# Altium PCB PCB_Kasli.PCBDOC (part 13 of 16) (continued)
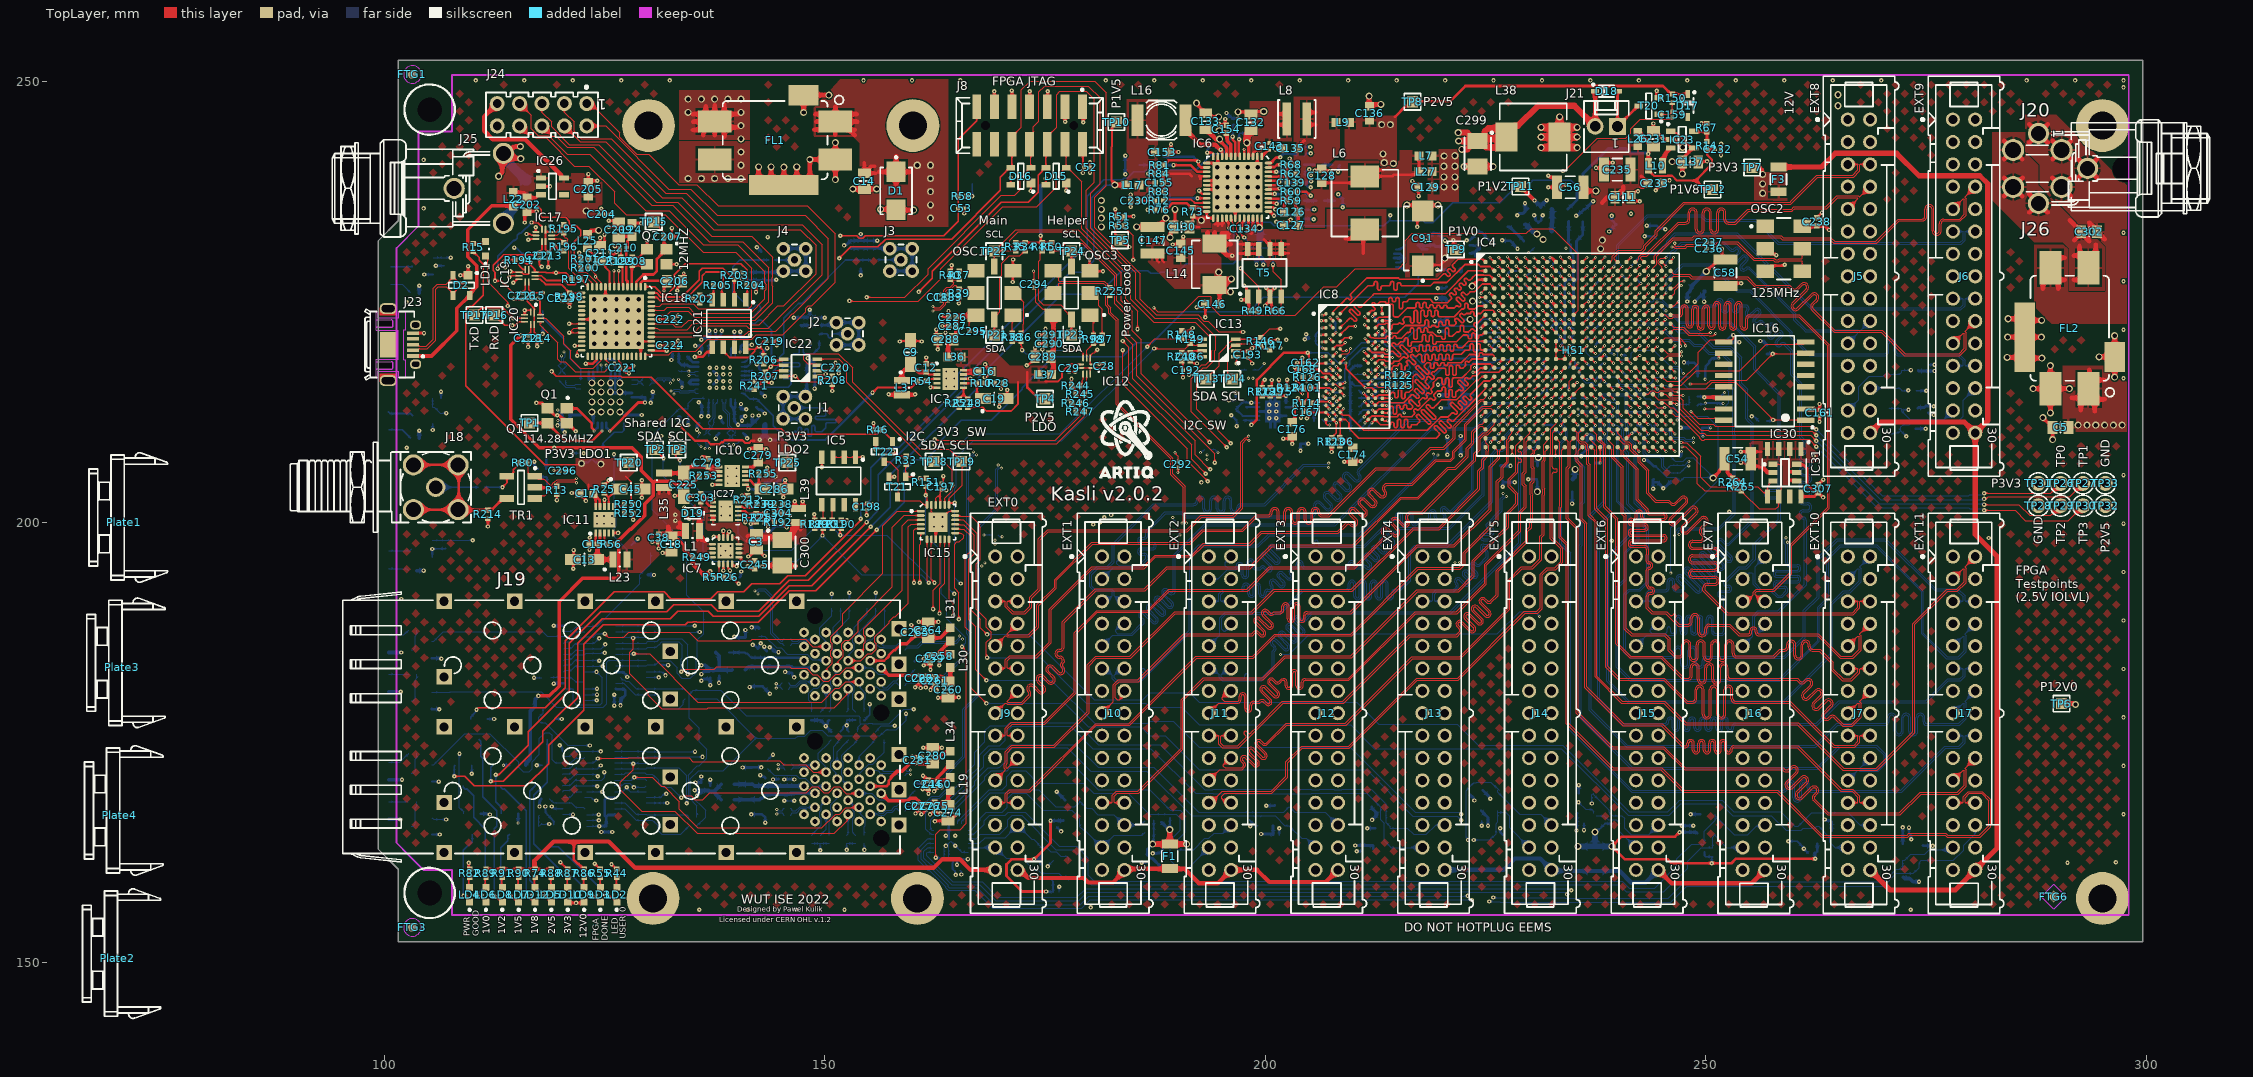
[diagram p0: TopLayer view]
## Nets (pads, with @x,y where several pads share a name; then routed paths per layer and width w, separated by ;. In a path a pad name is that pad's centre, name@x,y a point inside that pad or via, vN(x,y) a via of type N, cw(c..) or ccw(c..) an arc to the next point about the centre after c; other vN are vias at no path point) (continued)
NetC303_2: C303.2 D19.1 IC7.1 IC7.2 IC7.3 IC27.3 L1.1 | length 7.9
  TopLayer w0.3: 135.594,197.869 135.594,198.794 L1.1@135.8,199 ; 135.632,200.168 135.632,199.168 L1.1@135.8,199 ; D19.1@135.825,200.725 136,200.9 136.2,200.9 ; 135.85,200.35 135.85,200.674 135.8,200.724 135.8,200.9 D19.1@135.7,201 135.7,201.05 135.8,201.15 136.3,201.15 ; 135.925,200.225 135.925,199.125 L1.1@135.8,199 ; 136,197.9 136,198.25 136,198.8 135.95,198.85 L1.1@135.8,199
  TopLayer w0.5: L1.1@135.95,198.85 135.95,198.3 136,198.25 136.375,197.875
NetC304_2: C304.2 R238.1 | length 1.4
  TopLayer w0.2: C304.2@144.3,201 144.51,201.21 144.51,201.29 145.01,201.79 145.03,201.79 145.22,201.98 R238.1@145.22,202
NetD2_4: D2.4 J23.1 L22.1 R200.1 | length 39.7
  TopLayer w0.15: L22.1@114.651,235.89 114.76,236 117.297,236 117.825,235.472 117.825,234.675 117.931,234.569 120.581,234.569 121.031,234.119 121.031,233.858 121.239,233.65 121.775,233.65 122.3,233.125 122.3,232.578 121.55,231.828 121.55,229.643 R200.1@122.339,228.854
  TopLayer w0.4: J23.1@103.25,218.85 105.375,218.85 108.25,221.725 108.25,224.251 D2.4@109.722,225.723 109.722,225.923 110.515,226.716 110.515,229.1 109.495,230.12 109.495,233.195 112.19,235.89 L22.1@114.651,235.89
NetD18_2: D18.2 J21.1 T20.3 | length 7.4
  TopLayer w0.3: D18.2@239.97,248.845 J21.1@239.97,244.898 242.025,246.952 242.025,247.075 242.175,247.225 T20.3@242.375,247.225
NetF1_2: F1.2 J9.30 J10.30 J11.30 J12.30 | length 39.8
  TopLayer w0.5: J9.30@171.886,160.528 172.183,160.528 173.101,159.61 179.407,159.61 179.918,159.1 182.719,159.1 J10.30@184.005,160.386 ; J10.30@184.129,160.652 190.842,160.652 192.469,159.025 194.621,159.025 J11.30@196.124,160.528 199.066,160.528 200.444,159.15 206.866,159.15 J12.30@208.244,160.528
NetF2_2: F2.2 J13.30 J14.30 J15.30 J16.30 | length 39.7
  TopLayer w0.5: J15.30@244.602,160.528 246.105,159.025 255.218,159.025 J16.30@256.721,160.528
  BottomLayer w0.5: J13.30@220.363,160.528 227.047,160.528 228.337,161.818 231.193,161.818 J14.30@232.483,160.528 ; J14.30@232.613,160.398 F2.2@237.417,160.398 240.221,160.398 241.544,159.075 243.149,159.075 J15.30@244.602,160.528
NetF3_2: F3.2 J5.30 J6.30 J7.30 J17.30 | length 133.1
  TopLayer w0.6: F3.2@258.245,240.296 263.127,240.296 264.681,241.85 271.65,241.85 274.19,239.31 281.088,239.31 282,238.398 282,211.55 J6.30@280.57,210.12 ; J7.30@268.645,160.52 270.915,158.25 278.3,158.25 J17.30@280.57,160.52 283.075,163.025 283.075,195.875 283.075,196.1 280.57,198.605 J6.30@280.57,210.12 ; J5.30@268.645,210.12 269.895,211.37 279.32,211.37 J6.30@280.57,210.12
NetIC1_8: IC1.8 R27.2 | length 1.5
  BottomLayer w0.3: R27.2@134.4,218.77 134.42,218.77 134.56,218.63 134.56,218.61 135.042,218.128 IC1.8@135.65,218.128
NetIC1_17: IC1.17 R153.1 | length 1.6
  BottomLayer w0.2: IC1.17@140.569,218.147 140.947,218.147 141.78,218.98 R153.1@141.78,219
NetIC1_19: IC1.19 R152.1 | length 1.3
  BottomLayer w0.19: IC1.19@140.55,217.128 141.658,217.128 R152.1@141.78,217.25
NetIC1_21: IC1.21 R48.1 | length 1.3
  BottomLayer w0.19: IC1.21@140.55,216.128 141.652,216.128 R48.1@141.78,216
NetIC1_23: IC1.23 R47.1 | length 1.1
  BottomLayer w0.19: IC1.23@140.55,215.128 140.855,215.128 141.058,214.925 R47.1@141.605,214.925
NetIC2_1: IC2.1 R22.2 | length 4.4
  BottomLayer w0.2: R22.2@124.841,208.396 124.841,208.941 126.1,210.2 126.988,210.2 127.222,210.434 IC2.1@127.222,211.249
NetIC2_6: IC2.6 Q1.3 TP1.1 | length 10.4
  TopLayer w0.125: v2@124.664,210.389 v2@124.714,210.439
  TopLayer w0.3: TP1.1@116.65,211.25 118.524,211.25 Q1.3@118.534,211.24 120.553,209.221 123.596,209.221 v2(124.714,210.339)
  BottomLayer w0.3: v2(124.714,210.339) 124.722,210.347 IC2.6@124.722,211.249
NetIC2_7: IC2.7 Q1.1 | length 5.5
  TopLayer w0.3: Q1.1@120.734,212.895 121.877,212.895 123.55,211.222 123.55,210.714 v2@123.825,210.439
  BottomLayer w0.3: v2(123.825,210.339) 124.222,210.736 IC2.7@124.222,211.249
NetIC2_18: IC2.18 T1.1 | length 9.6
  BottomLayer w0.2: T1.1@117.99,223.962 117.99,223.212 120.375,220.827 120.375,220.2 121.087,219.488 121.087,218.613 122.322,217.378 IC2.18@122.322,216.149
NetIC2_21: IC2.21 R17.2 | length 1.4
  BottomLayer w0.2: IC2.21@124.222,217.049 124.2,217.071 124.2,218.395 R17.2@124.222,218.417
NetIC2_22: IC2.22 R237.2 | length 16.4
  MidLayer2 w0.125: v2(124.625,217.825) 125.45,218.65 128.425,218.65 129.7,217.375 129.7,214.6 130.1,214.2 130.5,214.2 130.975,213.725 130.975,213.125 132.451,211.649 v1(132.451,209.749)
  BottomLayer w0.125: IC2.22@124.7,217.071 v2@124.7,217.75 ; R237.2@132.451,209.02 v1(132.451,209.749)
NetIC2_23: IC2.23 R236.2 | length 13
  MidLayer2 w0.125: v2(125.206,217.811) 125.657,217.811 128.6,214.868 128.6,213.5 129.5,212.6 130.5,212.6 131.45,211.65 v1(131.45,209.775)
  BottomLayer w0.125: v2(125.206,217.811) 125.222,217.795 IC2.23@125.222,217.049 ; R236.2@131.45,209.02 v1(131.45,209.775)
NetIC3_3: IC3.3 R54.2 | length 1.4
  TopLayer w0.2: R54.2@161.47,216 161.47,216.02 161.66,216.21 161.737,216.21 161.777,216.25 IC3.3@162.75,216.25
NetIC3_6: IC3.6 R248.1 R251.2 | length 2.2
  TopLayer w0.2: R251.2@165.25,213.97 165.27,213.97 165.46,214.16 165.46,214.18 165.75,214.47 ; IC3.6@165.75,215.25 165.75,214.47 ; R248.1@166.25,213.97 166.23,213.97 166.04,214.16 166.04,214.18 165.75,214.47
NetIC4_F8: IC4.F8 R191.2 | length 8.5
  TopLayer w0.125: v2(231.491,225.015) IC4.F8@231.991,224.515
  MidLayer2 w0.125: v2@229.844,230.7 230.719,230.7 231.019,230.4 231.019,225.487 v2(231.491,225.015)
  BottomLayer w0.125: v2(229.85,230.62) 230.025,230.62 R191.2@230.58,231.175
NetIC4_N12: IC4.N12 R52.2 | length 16.9
  TopLayer w0.125: v2(235.594,217.025) 235.505,217.025 235.503,217.027 IC4.N12@235.991,217.515
  BottomLayer w0.09: v2(235.594,217.025) 235.594,216.919 235.794,216.719 235.794,216.376 236.35,215.82 236.444,215.82 236.595,215.82 236.683,215.82 236.721,215.858 237.113,215.858 237.417,215.553 237.694,215.553 238.114,215.973 238.114,216.113 238.476,216.475 239.694,216.475 240.121,216.048 240.121,215.862 240.358,215.625 243.625,215.625 244.025,216.025 244.025,216.3 244.142,216.417 245.55,216.417 245.977,216.844 245.977,217.154 246.282,217.458 246.714,217.458 246.993,217.179 246.993,216.62 247.133,216.48 R52.2@248.059,216.48
NetIC5_5: IC5.5 R230.2 | length 1.8
  TopLayer w0.1: IC5.5@149.67,201.975 149.825,201.82 149.825,200.245 R230.2@149.85,200.22
NetIC5_6: IC5.6 R231.2 | length 1.8
  TopLayer w0.1: R231.2@150.85,200.22 150.824,200.246 150.824,201.859 IC5.6@150.94,201.975
NetIC6_5: IC6.5 IC6.14 R78.2 R81.2 | length 16.4
  TopLayer w0.3: R81.2@188.5,240.55 189.013,241.063 192.207,241.063 192.351,240.919 v1(192.405,240.919) 192.405,240.538 192.695,240.248 IC6.14@193.35,240.248 ; IC6.5@197.6,241.498 v2(197.6,242.304)
  MidLayer2 w0.125: v1(192.405,240.919) 192.836,241.35 196.646,241.35 v2(197.6,242.304)
  BottomLayer w0.3: R78.2@188.43,241.554 188.534,241.45 191.874,241.45 v1(192.405,240.919)
NetIC6_6: IC6.6 R92.1 R93.2 | length 3.7
  TopLayer w0.3: v1(197.025,243.45) 197,243.425 197,241.598 IC6.6@197.1,241.498
  BottomLayer w0.2: v1(197.025,243.45) 197.025,244.053 R92.1@197.104,244.132 198.112,244.132 R93.2@198.116,244.128
NetIC6_15: IC6.15 R79.2 | length 5.2
  TopLayer w0.3: v1(189.586,240.513) 191.516,240.513 192.281,239.748 IC6.15@193.35,239.748
  BottomLayer w0.3: R79.2@188.455,240.513 v1(189.586,240.513)
NetIC6_22: IC6.22 R12.2 | length 5.1
  TopLayer w0.2: R12.2@188.43,236.474 188.556,236.6 191.598,236.6 191.975,236.223 193.325,236.223 IC6.22@193.35,236.248
NetIC6_23: IC6.23 R73.1 R76.2 | length 5.5
  TopLayer w0.3: R76.2@188.43,235.458 188.646,235.674 188.934,235.674 189.46,236.2 190.46,236.2 ; 190.46,236.2 191.04,236.2 191.45,235.79 191.45,235.674 R73.1@191.77,235.674 191.844,235.748 IC6.23@193.35,235.748
NetIC6_29: IC6.29 R49.1 T5.2 | length 11.6
  TopLayer w0.125: IC6.29@196.1,234.498 196.236,234.362 196.236,234.037 196.35,233.923 196.35,233.143 ; 196.35,233.1 196.9,232.55 v1(196.9,232.25) ; v1(197.2,228.8) 197.2,228.747 199.265,226.682 T5.2@199.265,225.6 R49.1@199.265,224.195
  BottomLayer w0.125: v1(196.9,232.25) 196.951,232.199 196.951,229.049 v1(197.2,228.8)
NetIC6_31: IC6.31 R66.1 T5.4 | length 13.6
  TopLayer w0.125: IC6.31@197.1,234.498 197.1,234.15 197.072,234.15 196.989,234.067 196.989,234.062 196.761,233.834 196.756,233.834 196.75,233.828 196.75,233.161 196.962,232.949 196.962,232.938 v1(197.6,232.3) ; v1(200.875,229.225) 200.875,228.425 201.805,227.495 T5.4@201.805,225.6 R66.1@201.805,224.135
  BottomLayer w0.125: v1(197.6,232.3) 198,231.9 198,231.65 198.525,231.125 200.225,231.125 200.875,230.475 v1(200.875,229.225)
NetIC6_37: IC6.37 R61.2 R65.2 | length 4.3
  TopLayer w0.3: IC6.37@200.35,235.248 200.514,235.248 v1(200.99,234.772)
  BottomLayer w0.3: v1(200.99,234.772) 201.068,234.85 203.492,234.85 R61.2@203.492,235.458 ; R65.2@203.492,234.442 203.492,234.772
NetIC6_39: IC6.39 R64.2 | length 3.3
  TopLayer w0.3: IC6.39@200.35,236.248 201.173,236.248 v1(201.285,236.137)
  BottomLayer w0.3: v1(201.285,236.137) 201.622,236.474 R64.2@203.492,236.474
NetIC6_41: IC6.41 R85.2 | length 3.2
  TopLayer w0.3: IC6.41@200.35,237.248 v1(201.078,237.248)
  BottomLayer w0.3: v1(201.078,237.248) 201.103,237.223 201.838,237.223 202.079,237.465 R85.2@203.467,237.465
NetIC6_46: IC6.46 R71.2 | length 3.5
  TopLayer w0.3: IC6.46@200.35,239.748 v1(201.242,239.748)
  BottomLayer w0.3: v1(201.242,239.748) 201.676,239.748 202.466,240.538 203.48,240.538 R71.2@203.492,240.538
NetIC6_48: IC6.48 R69.1 R72.2 | length 4.6
  TopLayer w0.3: IC6.48@200.35,240.748 200.625,240.748 201.238,241.361 201.661,241.361 v1(201.7,241.4)
  BottomLayer w0.3: v1(201.7,241.4) 201.7,241.453 202.058,241.812 202.988,241.812 203.04,241.759 203.383,241.759 R69.1@203.492,241.65 ; R69.1@203.48,241.675 203.48,241.662 R69.1@203.492,241.65 ; R72.2@203.492,242.57 203.492,241.759 R69.1@203.492,241.65
NetIC7_4: IC7.4 R249.1 | length 1.3
  TopLayer w0.2: R249.1@135.97,196 IC7.4@137.25,196
NetIC7_5: IC7.5 R5.1 R26.2 | length 2.8
  TopLayer w0.125: IC7.5@138,195.25 138,194.3 137.47,193.77 R5.1@137.47,193.75 R26.2@138.53,193.75
NetIC7_7: IC7.7 R177.1 R179.2 | length 2.6
  TopLayer w0.2: IC7.7@139,195.25 139.019,195.231 139.019,194.812 139.25,194.581 v1(139.25,194.5)
  BottomLayer w0.3: R177.1@138.52,193.75 R179.2@139.43,193.75 139.29,193.89 139.29,194.046 139.25,194.086 v1(139.25,194.5)
NetIC8_L2: IC8.L2 R124.2 | length 8
  TopLayer w0.1: R124.2@203.589,215.325 203.589,215.25 203.589,215.055 204.094,214.55 v2(204.219,214.55) ; IC8.L2@207.686,215.649 208.007,215.649 208.431,215.225 v2(208.944,215.225)
  MidLayer2 w0.1: v2(204.219,214.55) 204.894,215.225 207.219,215.225 207.719,214.725 208.169,214.725 208.669,215.225 v2(208.944,215.225)
NetIC8_L8: IC8.L8 R125.2 | length 2.4
  TopLayer w0.125: IC8.L8@212.486,215.649 212.838,215.298 214.711,215.298 R125.2@214.724,215.311
NetIC9_9: IC9.9 R127.1 | length 1.5
  BottomLayer w0.2: R127.1@197.814,213.05 IC9.9@199.344,213.05
NetIC10_3: IC10.3 R253.2 | length 1.3
  TopLayer w0.4: R253.2@136.72,205.25 IC10.3@138,205.25
NetIC10_6: IC10.6 R254.1 R256.1 | length 2.7
  TopLayer w0.25: IC10.6@141,204.25 141.25,204.25 141.275,204.225 141.275,203.975 141.3,203.95 v1(141.3,203.75)
  BottomLayer w0.25: v1(141.3,203.75) 142.005,203.75 142.045,203.71 142.065,203.71 142.23,203.545 R254.1@142.23,204.45
NetIC11_3: IC11.3 R56.2 | length 1.4
  TopLayer w0.2: IC11.3@125,198.75 125,197.8 125.28,197.52 R56.2@125.28,197.5
NetIC11_6: IC11.6 R250.1 R252.1 | length 2.4
  TopLayer w0.2: IC11.6@126,201.75 126,201.76 126.05,201.81 127.09,201.81 R250.1@127.28,202 R252.1@127.28,201
NetIC12_4: IC12.4 R97.1 R98.2 | length 3
  TopLayer w0.125: IC12.4@179.725,218.6 179.725,219.505 180.253,220.033 180.253,220.053 180.48,220.28 R98.2@180.5,220.28 R97.1@181.5,220.28
NetIC12_5: IC12.5 R36.1 R38.2 | length 10
  TopLayer w0.125: R38.2@171.275,220.505 R36.1@172.275,220.505 172.275,220.027 172.34,219.962 172.34,219.585 v1(172.4,219.525) ; v1(177.75,219.525) 177.775,219.5 179,219.5 179.312,219.188 179.312,218.613 IC12.5@179.325,218.6
  BottomLayer w0.125: v1(172.4,219.525) 172.802,219.123 175.882,219.123 176.284,219.525 v1(177.75,219.525)
NetIC17_2: IC17.2 IC19.2 R194.1 T13.3 | length 13.7
  TopLayer w0.15: v1(112.875,228.775) 112.875,229.052 113.623,229.8 R194.1@114.775,229.8 ; R194.1@114.808,229.525 114.95,229.525 115.81,228.665 IC19.2@116.005,228.665 ; v1(116.725,234) 117.45,234 117.91,233.54 IC17.2@117.91,233.237
  BottomLayer w0.15: v1(112.875,228.775) 112.875,230.15 114.012,231.288 ; v1(116.725,234) 115.509,232.784 115.325,232.784 115.1,232.559 T13.3@115.1,232.375 115.1,232.191 114.875,231.966 114.691,231.966 ; 114.012,231.288 114.691,231.966 ; 114.012,231.288 114.691,231.966
NetIC18_1: IC18.1 IC21.1 R204.1 | length 17.7
  TopLayer w0.2: IC18.1@129.615,226.708 130.692,226.708 131.041,226.359 ; 131.041,226.358 131.574,225.825 132.096,225.825 132.911,226.64 132.911,228.06 134.164,229.313 140.487,229.313 141.193,228.607 R204.1@141.193,226.871 IC21.1@141.193,225.418
NetIC18_6: IC18.6 R199.2 | length 2.5
  TopLayer w0.2: R199.2@126.873,229.146 127.044,228.975 127.044,226.779 IC18.6@127.115,226.708
NetIC18_22: IC18.22 IC22.6 R207.1 | length 31.6
  TopLayer w0.125: v1(120.983,222.508) IC18.22@122.415,222.508 ; R207.1@143.2,217.1 143.314,217.1 144.039,217.825 IC22.6@145.35,217.825
  SignalLayer1 w0.125: v1(120.983,222.508) 122.775,220.716 122.775,219.75 123.05,219.475 129.125,219.475 131.75,222.1 135.5,222.1 135.563,222.163 138.492,222.163 142.029,218.625 142.881,218.625 v1@143.856,217.65
  other v1: 143.875,217.65
NetIC18_23: IC18.23 IC18.24 IC22.5 R206.1 | length 34.5
  TopLayer w0.125: 121.35,221.5 121.342,221.508 ; IC18.24@122.415,221.508 121.342,221.508 ; IC18.23@122.415,222.008 121.508,222.008 121.213,221.713 ; R206.1@143.225,218.143 R206.1@143.225,218.225 ; R206.1@143.3,218.15 143.3,218.155 143.482,218.338 v1(144.348,218.338) 145.213,218.338 IC22.5@145.35,218.475 ; 121.213,221.713 v1(121.008,221.508) 121.342,221.508 ; 121.213,221.713 121.213,221.637 121.342,221.508
  SignalLayer1 w0.125: v1(121.008,221.508) 122.35,220.166 122.35,219.6 123.075,218.875 129.531,218.875 132.356,221.7 136.1,221.7 138.512,219.287 139.713,219.287 140.3,218.7 140.475,218.7 142.075,217.1 144.15,217.1 144.348,217.298 v1(144.348,218.338)
NetIC18_28: IC18.28 IC22.8 R208.2 | length 35.8
  TopLayer w0.125: v1(121.9,218.9) 121.9,219.4 121.975,219.475 122.382,219.475 IC18.28@122.415,219.508 ; IC22.8@145.35,216.525 145.4,216.575 v1(146.675,216.575) 147.3,215.95 149.539,215.95 149.932,216.343 150.623,216.343 R208.2@150.85,216.57
  SignalLayer1 w0.125: v1(121.9,218.9) 121.9,219.025 122.477,218.448 123.073,218.448 123.121,218.4 125.902,218.4 125.947,218.446 126.33,218.446 126.376,218.4 130.15,218.4 130.75,219 130.964,219 131.883,219.919 131.919,219.919 133.038,221.038 134.9,221.038 135.025,221.163 136.192,221.163 136.881,220.473 136.881,220.219 137.7,219.4 137.7,219.125 138.2,218.625 139.996,218.625 141.984,216.637 143.762,216.637 143.995,216.87 146.38,216.87 v1(146.675,216.575)
NetIC18_32: IC18.32 IC20.9 | length 11.1
  TopLayer w0.125: IC20.9@117.74,223.139 118.361,223.139 120.4,221.1 120.4,220.225 121.175,219.45 121.175,218.55 122.25,217.475 123.727,217.475 124.615,218.363 IC18.32@124.615,218.808
NetIC18_33: IC18.33 IC20.8 | length 13.1
  TopLayer w0.125: IC20.8@117.74,222.739 117.74,222.335 119.725,220.35 119.725,218.5 120,218.225 120.55,218.225 121.7,217.075 125.018,217.075 125.594,217.65 125.594,217.971 125.115,218.45 IC18.33@125.115,218.808
NetIC18_42: IC18.42 J24.1 | length 65.5
  TopLayer w0.1: J24.1@122.987,247.498 123.452,247.498 126.75,244.2 126.75,243.654 128.654,241.75 130,241.75 133.45,238.3 135.5,238.3 137.9,235.9 148,235.9 151.175,232.725 151.175,227.2 148.525,224.55 148.114,224.55 147.85,224.286 147.85,223.875 145.225,221.25 142.225,221.25 141.787,220.812 ; IC18.42@129.615,218.808 129.615,218.975 129.621,218.981 132.277,218.981 132.696,219.4 135.357,219.4 136.724,220.767 141.724,220.767 141.779,220.821
NetIC18_46: IC18.46 J24.2 | length 60.1
  TopLayer w0.1: J24.2@122.987,244.958 125.167,244.958 132.325,237.8 134.8,237.8 137.8,234.8 147.8,234.8 150.425,232.175 150.425,227.675 146.4,223.65 146.314,223.65 146.05,223.386 146.05,223.3 144.436,221.686 141.371,221.686 140.834,221.15 137.968,221.15 135.35,221.15 135.25,221.05 ; IC18.46@130.315,221.008 130.332,221.025 135.25,221.025
NetIC18_47: IC18.47 J24.3 | length 62.9
  TopLayer w0.1: J24.3@120.447,247.498 120.447,246.513 121.547,245.413 121.547,244.353 122.375,243.525 125.75,243.525 131.975,237.3 134.3,237.3 137.85,233.75 147.45,233.75 149.7,231.5 149.7,228.075 143.6,221.975 141.373,221.975 141.073,222.275 135.942,222.275 135.175,221.508 IC18.47@130.315,221.508
NetIC18_48: IC18.48 J24.4 | length 58.9
  TopLayer w0.1: J24.4@120.447,244.958 122.229,243.175 125.171,243.175 131.546,236.8 133.8,236.8 137.4,233.2 147.225,233.2 149.025,231.4 149.025,228.2 145.35,224.525 144.65,224.525 142.55,222.425 141.5,222.425 141.375,222.55 135.1,222.55 134.375,221.825 131.2,221.825 131.017,222.008 IC18.48@130.315,222.008
NetIC18_49: IC18.49 J24.5 | length 54.6
  TopLayer w0.1: J24.5@117.907,247.498 117.907,246.513 119.007,245.413 119.007,244.842 121.024,242.825 124.325,242.825 130.85,236.3 133.3,236.3 137.175,232.425 141.725,232.425 144.1,230.05 144.1,227.786 144.05,227.736 144.05,226.8 144.1,226.75 144.1,224.9 142.1,222.9 134.55,222.9 133.8,222.15 133.037,222.15 132.687,222.5 130.323,222.5 IC18.49@130.315,222.508
NetIC18_51: IC18.51 J24.6 | length 50.8
  TopLayer w0.1: J24.6@117.907,244.958 119.095,243.77 119.555,243.77 120.8,242.525 123.776,242.525 130.351,235.95 132.75,235.95 136.887,231.813 140.712,231.813 143.65,228.875 143.65,225 141.925,223.275 135.175,223.275 134.5,223.95 132.542,223.95 132.1,223.508 IC18.51@130.315,223.508
NetIC18_52: IC18.52 J24.7 | length 53.8
  TopLayer w0.1: J24.7@115.367,247.498 116.675,246.189 116.675,244.634 117.459,243.85 118.675,243.85 120.8,241.725 123.325,241.725 129.7,235.35 132.35,235.35 136.225,231.475 140.125,231.475 143.175,228.425 143.175,227.142 143.356,226.961 143.356,226.408 143.175,226.228 143.175,225.325 141.575,223.725 135.2,223.725 134.55,224.375 132.1,224.375 131.775,224.05 130.357,224.05 IC18.52@130.315,224.008
NetIC18_53: IC18.53 J24.8 | length 49.9
  TopLayer w0.1: J24.8@115.367,244.958 116.327,243.997 116.803,243.997 117.2,243.6 118.375,243.6 121.575,240.4 123.214,240.4 126.15,237.464 126.15,236.179 127.454,234.875 131.911,234.875 136.186,230.6 139.9,230.6 141.7,228.8 141.7,224.55 141.35,224.2 135.625,224.2 135.05,224.775 131.542,224.775 131.275,224.508 IC18.53@130.315,224.508
NetIC18_55: IC18.55 IC21.3 R205.2 | length 12.9
  TopLayer w0.2: IC18.55@130.315,225.508 130.925,225.508 131.283,225.15 134.05,225.15 136.1,227.2 136.1,227.95 136.53,228.38 138.195,228.38 138.45,228.125 138.45,226.998 R205.2@138.323,226.871 IC21.3@138.323,225.418
NetIC18_56: IC18.56 IC21.2 R203.1 | length 14.5
  TopLayer w0.2: IC18.56@130.315,226.008 130.917,226.008 131.389,225.536 133.786,225.536 135.75,227.5 135.75,228.457 136.093,228.8 138.45,228.8 R203.1@139.72,227.53 ; IC21.2@139.72,225.291 R203.1@139.72,227.53 ; R203.1@139.85,227.4 R203.1@139.72,227.53
NetIC21_4: IC21.4 R202.1 R205.1 | length 2.6
  TopLayer w0.2: R202.1@135.825,225.655 IC21.4@137.02,225.655 ; IC21.4@137.383,225.418 R205.1@137.383,226.871
NetIC22_7: IC22.7 R241.2 | length 3.8
  TopLayer w0.125: R241.2@142,215.97 142.227,216.197 142.517,216.197 142.862,216.542 143.792,216.542 144.425,217.175 IC22.7@145.35,217.175
NetIC23_3: IC23.3 L10.1 | length 2.1
  TopLayer w0.3: L10.1@245.075,240.44 cw(c245.899,240.44) L10.1@245.317,241.022
  TopLayer w0.5: L10.1@245.269,241.225 cw(c246.464,241.225) 245.619,242.07 IC23.3@246.017,242.468
NetIC23_5: IC23.5 R14.1 R67.2 | length 2.5
  TopLayer w0.25: IC23.5@248.697,244.288 R67.2@250.117,244.288 R14.1@250.117,243.196
NetIC27_6: IC27.6 R181.2 | length 2.5
  TopLayer w0.25: IC27.6@140.175,200.25 140.725,200.25 v1(140.975,200)
  BottomLayer w0.25: v1(140.975,200) 140.975,200.028 141.261,200.315 141.887,200.315 142.017,200.185 142.115,200.185 R181.2@142.28,200.02
NetIC27_7: IC27.7 R192.1 | length 4.4
  TopLayer w0.15: IC27.7@140.175,200.75 141.006,200.75 141.24,200.516 143.764,200.516 144.045,200.235 144.065,200.235 R192.1@144.28,200.02
NetIC27_8: IC27.8 R221.1 R257.2 | length 3.2
  TopLayer w0.25: IC27.8@140.175,201.25 140.95,201.25 141.23,200.97 R221.1@142.25,200.97 R257.2@143.25,200.97
NetIC27_9: IC27.9 R239.2 | length 2.3
  TopLayer w0.2: IC27.9@140.175,201.75 140.713,201.75 140.874,201.589 141.869,201.589 142.07,201.79 142.09,201.79 R239.2@142.28,201.98
NetIC27_10: IC27.10 R212.2 | length 1.2
  TopLayer w0.3: IC27.10@140.175,202.25 141.01,202.25 141.23,202.03 R212.2@141.25,202.03
NetJ18_2: J18.2 R214.2 TR1.4 | length 20.7
  TopLayer w0.3: J18.2@103.678,201.41 J18.2@108.39,201.41 ; J18.2@103.678,206.49 108.458,206.49 108.458,201.41 J18.2@108.39,201.41 ; TR1.4@113.935,202.672 113.49,202.672 112.302,201.485 111.848,201.485 111.74,201.377 108.423,201.377 J18.2@108.39,201.41
NetLD1_1: LD1.1 T1.3 | length 8.8
  TopLayer w0.125: LD1.1@111.5,230.175 111.75,229.925 111.75,227.25 114.025,224.975 v1(114.025,224.525)
  BottomLayer w0.125: v1(114.025,224.525) T1.3@115.538,223.012
NetLD1_2: LD1.2 R15.1 | length 1.3
  TopLayer w0.2: R15.1@110.094,231.636 111.264,231.636 LD1.2@111.375,231.525
NetLD2_1: LD2.1 T3.3 | length 10.6
  TopLayer w0.15: v1(125.375,157.6) 125.547,157.6 125.752,157.396 125.854,157.396 126.161,157.089 126.161,156.987 LD2.1@126.365,156.782
  BottomLayer w0.15: T3.3@118.5,163.15 119.75,163.15 120.938,161.962 121.013,161.962 v1(125.375,157.6)
NetLD2_2: LD2.2 R44.1 | length 1.2
  TopLayer w0.15: LD2.2@126.365,158.432 R44.1@126.365,159.677
NetLD3_1: LD3.1 T4.3 | length 22.8
  TopLayer w0.15: v1(123.6,157.6) 123.804,157.396 124.054,157.396 124.213,157.237 124.213,156.987 LD3.1@124.418,156.782
  BottomLayer w0.15: T4.3@118.5,175.35 118.5,170.5 117,169 117,163.47 120.727,159.743 121.457,159.743 v1(123.6,157.6)
NetLD3_2: LD3.2 R55.1 | length 1.2
  TopLayer w0.15: LD3.2@124.502,158.432 R55.1@124.502,159.677
NetLD4_1: LD4.1 T6.3 | length 8.7
  TopLayer w0.15: v1(109,157.575) 109.4,157.575 109.601,157.374 LD4.1@109.601,156.782
  BottomLayer w0.15: v1(109,157.575) 109,162.75 110,163.75 T6.3@110,164.6
NetLD4_2: LD4.2 R82.1 | length 1.2
  TopLayer w0.15: LD4.2@109.601,158.432 R82.1@109.601,159.677
NetLD5_1: LD5.1 T7.3 | length 14.7
  TopLayer w0.15: v1(118.025,157.85) 118.025,157.8 118.914,156.911 LD5.1@118.914,156.782
  BottomLayer w0.15: T7.3@117.169,170.269 117.169,170.069 116.536,169.436 116.536,159.339 v1(118.025,157.85)
NetLD5_2: LD5.2 R88.1 | length 1.2
  TopLayer w0.15: LD5.2@118.914,158.432 R88.1@118.914,159.677
NetLD6_1: LD6.1 T8.3 | length 15.3
  TopLayer w0.125: v1(110.49,157.71) 110.559,157.641 110.79,157.641 LD6.1@111.556,156.875
  BottomLayer w0.15: T8.3@109,170.1 109,169.916 109.225,169.691 109.409,169.691 110.15,168.95 110.15,166.475 111.475,165.15 111.475,158.695 v1(110.49,157.71)
NetLD6_2: LD6.2 R89.1 | length 1.2
  TopLayer w0.15: LD6.2@111.464,158.432 R89.1@111.464,159.677
NetLD7_1: LD7.1 T9.3 | length 9.1
  TopLayer w0.125: v1(114.3,157.625) 114.752,157.173 114.969,157.173 LD7.1@115.267,156.875
  BottomLayer w0.15: T9.3@114.25,164.6 114.025,164.375 114.025,163.862 113.225,163.062 113.225,158.7 v1(114.3,157.625)
NetLD7_2: LD7.2 R90.1 | length 1.2
  TopLayer w0.15: LD7.2@115.189,158.432 R90.1@115.189,159.677
NetLD8_1: LD8.1 T10.3 | length 19.9
  TopLayer w0.125: v1(112.475,157.6) 112.898,157.177 113.109,157.177 LD8.1@113.411,156.875
  BottomLayer w0.15: T10.3@110.75,175.35 110.975,175.125 110.975,173.425 111.175,173.225 111.175,168.839 112.764,167.25 112.764,165.479 112.475,165.19 v1(112.475,157.6)
NetLD8_2: LD8.2 R91.1 | length 1.2
  TopLayer w0.15: LD8.2@113.326,158.432 R91.1@113.326,159.677
NetLD9_2: LD9.2 R86.1 | length 1.2
  TopLayer w0.15: LD9.2@122.64,158.432 R86.1@122.64,159.677
NetLD10_2: LD10.2 R87.1 | length 1.2
  TopLayer w0.15: LD10.2@120.777,158.432 R87.1@120.777,159.677
NetLD11_1: LD11.1 R143.2 | length 2.5
  BottomLayer w0.125: LD11.1@100.5,187.2 102.23,187.2 102.533,187.503 102.553,187.503 102.78,187.73 R143.2@102.78,187.75
NetLD12_1: LD12.1 T15.3 | length 15.1
  TopLayer w0.125: v1(116.125,157.65) 116.608,157.167 116.83,157.167 LD12.1@117.122,156.875
  BottomLayer w0.15: T15.3@113.25,170.1 113.25,169.916 113.475,169.691 113.659,169.691 116.125,167.225 v1(116.125,157.65)
NetLD12_2: LD12.2 R74.1 | length 1.2
  TopLayer w0.15: LD12.2@117.052,158.432 R74.1@117.052,159.677
NetLD13_1: LD13.1 T2.3 | length 2.9
  BottomLayer w0.2: LD13.1@100.5,212.5 100.688,212.312 103.003,212.312 T2.3@103.203,212.112
NetLD13_2: LD13.2 R11.1 | length 3
  BottomLayer w0.15: LD13.2@100.5,210.5 102.03,210.5 102.795,209.735 102.815,209.735 103.03,209.52 R11.1@103.03,209.5
NetLD14_1: LD14.1 T12.3 | length 2.7
  BottomLayer w0.15: LD14.1@100.75,229 T12.3@103.225,229 ; T12.3@103.05,229.05 T12.3@103.25,229.05
NetLD14_2: LD14.2 R20.1 | length 2.6
  BottomLayer w0.125: LD14.2@100.75,227 102.025,227 102.777,226.248 102.803,226.248 102.975,226.075 R20.1@102.975,226.05
NetLD15_1: LD15.1 R142.2 | length 2.3
  BottomLayer w0.125: LD15.1@100.5,182.75 R142.2@102.78,182.75
NetLD16_1: LD16.1 R216.2 | length 2.7
  BottomLayer w0.125: LD16.1@100.5,172.75 101.78,172.75 102.533,173.503 102.553,173.503 102.78,173.73 R216.2@102.78,173.75
NetLD17_1: LD17.1 R220.2 | length 2.3
  BottomLayer w0.125: LD17.1@100.5,168.25 R220.2@102.75,168.25
NetLD18_1: LD18.1 T19.3 | length 2.8
  BottomLayer w0.125: LD18.1@100.5,196.75 100.512,196.762 102.913,196.762 T19.3@103.151,197
NetLD18_2: LD18.2 R226.1 | length 2.4
  BottomLayer w0.125: LD18.2@100.5,194.75 100.523,194.727 102.553,194.727 R226.1@102.78,194.5
NetOSC1_1: OSC1.1 R38.1 | length 2
  TopLayer w0.125: R38.1@171.275,221.445 171.275,223.36 OSC1.1@171.35,223.435
NetOSC1_2: OSC1.2 R36.2 | length 5.3
  TopLayer w0.125: OSC1.2@171.35,225.975 171.575,225.975 172.576,224.974 172.576,222.522 172.522,222.468 172.522,221.672 172.295,221.445 R36.2@172.275,221.445
NetOSC1_4: OSC1.4 R37.1 | length 1.9
  TopLayer w0.095: R37.1@165.25,228.47 165.295,228.515 OSC1.4@167.15,228.515
NetOSC3_1: OSC3.1 R98.1 | length 2.4
  TopLayer w0.125: OSC3.1@180.1,223.435 180.5,223.035 R98.1@180.5,221.22
NetOSC3_2: OSC3.2 R97.2 | length 5.5
  TopLayer w0.125: OSC3.2@180.1,225.975 180.325,225.975 181.113,225.187 181.113,224.562 181.5,224.174 R97.2@181.5,221.22
NetOSC3_4: OSC3.4 R225.1 | length 7.5
  TopLayer w0.095: OSC3.4@175.9,228.515 176.533,227.882 176.533,227.411 176.588,227.355 181.706,227.355 182.095,226.966 182.095,226.887 182.338,226.645 R225.1@182.35,226.645
NetR10_1: R10.1 R28.2 | length 1.1
  TopLayer w0.2: R10.1@168.22,215.75 R28.2@169.28,215.75
NetR63_2: R63.2 R64.1 | length 1.3
  BottomLayer w0.3: R64.1@204.432,236.474 R63.2@205.778,236.474